# Allegro board MCU013_LAUNCHXL-CC1310_CC1190.brd (continued)
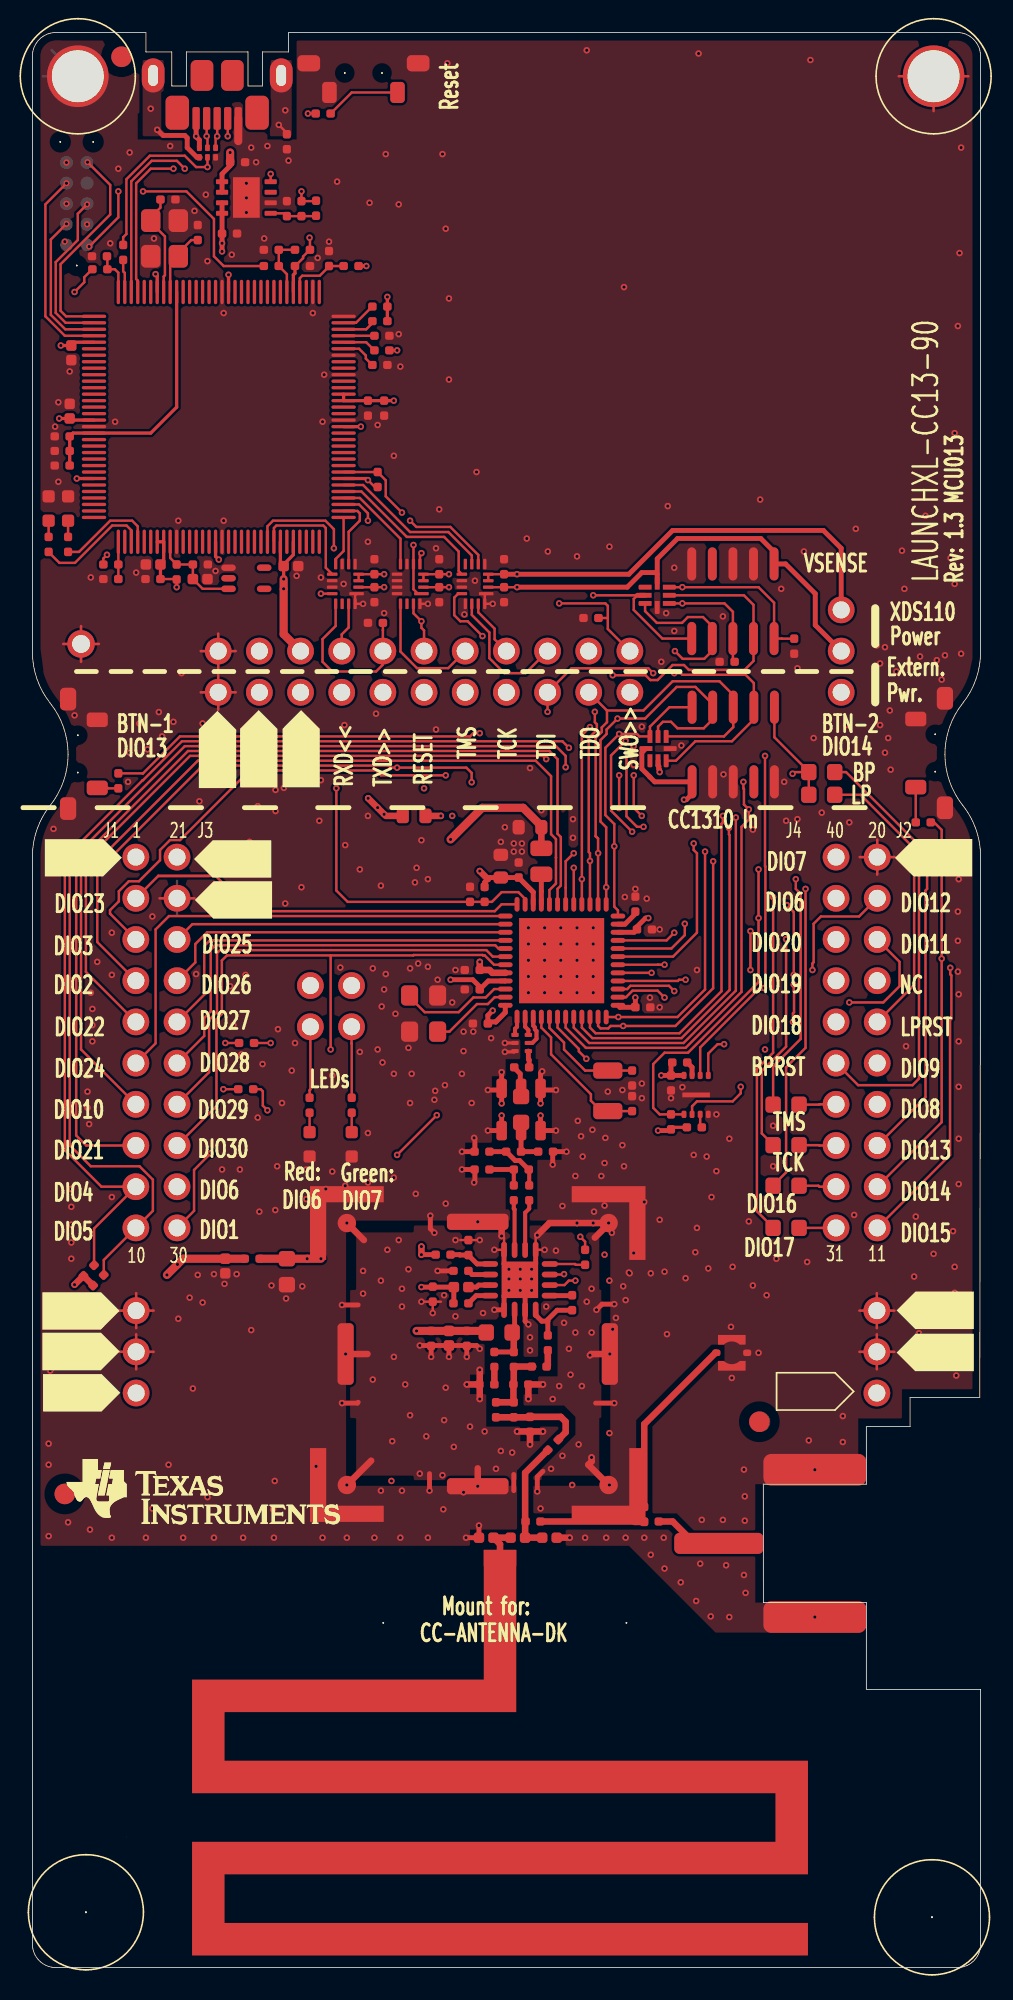
[diagram p0: board, top side]
## Routing (per net, layer and track width the routed paths; a pad name or vN(x,y) marks a point on that pad's centre or on a via; arc(x,y) is an arc through that point) (continued)
DIO16_TDO: length 62.1
  TOP w0.15: U1.26 v1(34.9,68.7) 34.9,69.6 34.75,69.75 ; 34.75,69.75 34.75,75.8 35.12,76.17 35.12,76.45 35.45,76.78 35.45,77.5 ; 34.75,69.75 34.75,69.75 34.85,69.65 ; 35.45,77.5 37.7,77.5 39.5,79.3 42.39,79.3 43.24,78.45 P5.6 43.24,76.47 42.67,75.9 CR8.5 ; 35.45,77.5 35.44,77.5 P4.4 ; R48.2 45.7,48.22 46.5,49.03 46.5,55.5 47.7,56.7 v1(47.7,66.5)
  L3 w0.15: v1(34.9,68.7) 38.6,68.7 40.8,66.5 v1(47.7,66.5)
DIO17_TDI: length 72.1
  TOP w0.15: U1.27 v1(34.4,68.22) 34.4,68.7 34.32,68.78 34.32,75.8 34.82,76.3 34.82,76.65 34.7,76.78 v1(34.7,77.42) ; v1(38.3,79.8) 38,80.1 33.26,80.1 P4.6 v1(31.78,77.42) ; v1(39.6,79.8) 40,79.8 40.1,79.7 44,79.7 44.51,79.19 P5.8 44.51,76.95 43.16,75.6 40.9,75.6 39.7,74.4 CR8.3 ; v1(45.7,66) 45.7,56.4 44.7,55.4 44.7,46.62 45.7,45.62 R49.2
  L3 w0.15: v1(38.3,79.8) v1(39.6,79.8) ; v1(45.7,66) 40.7,66 38.47,68.22 v1(34.4,68.22) ; v1(31.78,77.42) v1(34.7,77.42)
DIO19_CTS: length 23.6
  TOP w0.15: v1(33.4,67.8) U1.29 33.4,65.55 ; v1(46.55,65.5) 46.97,65.07 v1(46.97,61.2)
  L3 w0.15: v1(46.55,65.5) 40.78,65.5 38.47,67.8 v1(33.4,67.8) ; J2.7 47.74,60.84 47.38,61.2 v1(46.97,61.2)
DIO20_FLASH_CS: length 41.6
  TOP w0.15: v1(33.4,68.7) 32.9,68.2 32.9,66.58 U1.30 32.9,65.55 ; U4.1 R11.1 38.7,52.6 38.3,53 38.3,55.7 39,56.4 40.45,56.4 44.8,60.75 v1(44.8,64.7) v1(44.8,67.7)
  L3 w0.15: v1(44.8,64.7) 48.26,64.7 J2.5 ; v1(44.8,67.7) 40.8,67.7 38.9,69.6 34.3,69.6 v1(33.4,68.7)
DIO21: length 62.6
  TOP w0.15: J1.15 3.32,50.68 2.7,51.3 2.7,67.85 2.7,67.85 2.7,68.1 9.6,75 31.9,75 32.4,74.5 32.4,69.9 32.6,69.69 32.6,66.71 32.4,66.5 U1.31
DIO22: length 50.6
  TOP w0.15: 32.3,68.43 32.3,68.43 ; 32.3,68.43 32.3,69.57 32,69.87 32,73.45 31.05,74.4 10.2,74.4 3.3,67.5 3.3,61.38 J1.9 ; 32.3,68.43 32.3,66.83 31.9,66.43 U1.32
DIO23_ANALOG: length 28.5
  TOP w0.15: 7.76,67.3 J1.3 ; 7.76,67.3 7.76,67.3 11.3,67.3 12.72,65.88 12.72,65.47 13.07,65.13 28.53,65.13 28.95,65.55 U1.36 ; 7.76,67.3 10.9,67.3
DIO24_ANALOG: length 30.7
  TOP w0.15: U1.37 8.43,64.82 7.6,64 7.6,56.98 J1.11
DIO25_ANALOG: length 20.6
  TOP w0.15: J1.6 9.87,64.32 U1.38
DIO26_ANALOG: length 22.2
  TOP w0.15: U1.39 10.78,63.82 10.05,63.1 10.05,61.97 J1.8
DIO27_ANALOG: length 24.1
  TOP w0.15: J1.10 10.6,59.98 10.6,62.98 10.95,63.32 U1.40
DIO28_CC1190_HGM: length 30.6
  TOP w0.15: R66.1 v1(11.9,57) ; J1.12 10.6,57.44 10.6,58.55 11,58.95 11,62.75 11.28,63.03 28.55,63.03 28.75,62.82 U1.41
  L3 w0.15: v1(11.9,57) 10.16,57 J1.12
DIO29_CC1190_LNA_EN: length 32.5
  TOP w0.15: J1.14 10.9,55.2 10.9,58.42 11.39,58.91 11.39,62.54 11.57,62.72 28,62.72 28.4,62.32 U1.42 ; v1(11.78,54.15) R71.1
  L3 w0.15: J1.14 9.95,53.22 10.88,54.15 v1(11.78,54.15)
DIO30_CC1190_PA_EN: length 57.3
  TOP w0.15: R81.1 34.1,44.75 33.8,45.05 v1(33.8,45.05) ; U1.43 28.48,61.82 27.9,62.4 27.8,62.4 27.78,62.43 23.52,62.43 23.5,62.4 18.4,62.4 ; 18.4,62.4 v1(18.4,56.6) ; 18.4,62.4 12,62.4 11.69,62.09 11.69,58.79 11.35,58.45 11.35,53.11 J1.16
  L3 w0.15: v1(33.8,45.05) 30.95,47.9 27.1,47.9 v1(18.4,56.6)
IRSTN: length 16.5
  TOP w0.15: v1(6.82,109.5) 9.5,109.5 11.2,107.8 11.2,105.5 11.8,104.9 R20.2 14.4,104.9 ; v1(5.3,109.5) 5.3,107.9 v1(3.5,106.1)
  L3 w0.15: v1(5.3,109.5) v1(6.82,109.5)
ITCK: length 12.2
  TOP w0.15: U5.100 2,100.6 0.8,101.8 0.8,108.7 v1(2.1,110)
ITDI: length 10.1
  TOP w0.15: v1(3.38,108.7) 2.8,108.12 2.8,106.5 1.44,105.14 1.44,102.01 2.05,101.4 U5.98
ITDO: length 13.2
  TOP w0.15: v1(3.4,111.3) 4.8,109.9 4.8,108.08 1.74,105.01 1.74,102.14 2.08,101.8 U5.97
ITMS: length 9
  TOP w0.15: 3.8,101 2.03,101 1.14,101.89 1.14,106.54 v1(2.1,107.5)
LP_RESET: length 17.9
  TOP w0.15: J2.10 54.4,60.58 54.4,69 51.1,72.3 R51.1
USB_DM: length 14.1
  TOP w0.15: J6.2 v1(10.75,112.9) 10.8,112.85 CR6.5 ; v1(8.7,110.9) 7.3,110.9 6.4,110 6.4,104.1 6.5,104 U5.93
  L3 w0.15: v1(8.7,110.9) 8.99,111.19 9.06,111.19 10.75,112.88 v1(10.75,112.9)
USB_DP: length 15.5
  TOP w0.15: 11.3,112.19 11.3,112.8 v1(11.4,112.9) J6.3 ; v1(9.4,110.9) 8.91,111.38 7.36,111.38 6.1,110.12 U5.94
  L3 w0.15: v1(9.4,110.9) v1(11.4,112.9)
USB_ID: length 14.1
  TOP w0.15: CR6.2 v1(10.8,111) 10.1,111 9.4,111.7 7.25,111.7 5.8,110.25 5.8,106.88 5.6,106.68 R19.1 ; J6.4 v1(12.05,112.9)
  L3 w0.15: v1(12.05,112.9) 10.8,111.65 v1(10.8,111)
USB_VBUS: length 55.8
  TOP w0.15: R152.1 3.69,104.7 3.2,104.21 3.2,103.9 v1(2.6,103.3) ; v1(4.6,87.1) 4.38,86.87 R22.2 ; U7.8 v1(14.7,110.58)
  TOP w0.3: J6.1 v1(10.1,112.9) 10.1,112.87 10.3,112.67 CR6.6 ; U7.2 U7.1 11.7,110.58 12.2,111.08 C48.1
  TOP w0.5: v1(12.2,111.9) C48.1
  L3 w0.5: 0.75,103.4 0.85,103.3 v1(2.6,103.3) ; 0.75,103.4 0.75,90.95 v1(4.6,87.1) 4.6,86.3 7.6,83.3 11.86,83.3 P4.19 ; 0.75,103.4 0.75,108.24 1.85,109.34 3.94,109.34 4.7,110.1 11.22,110.1
V-SENSE: length 40.2
  TOP w0.15: U9.2 C57.1 v1(29.9,85.1) ; v1(21.7,85.1) C53.1 U8.2 ; U10.2 C55.1 v1(25.7,85.1)
  TOP w0.3: P10.2 48.3,82.76 48.3,84.7 46.47,86.53 P7.1 45.76,87.28 44.94,88.1 39.8,88.1 38.55,86.85 38.55,85.9 ; 38.55,85.9 CR7.8 ; 38.55,85.9 38.45,86 37.6,86 36.7,85.1 v1(29.9,85.1)
  L3 w0.3: v1(21.7,85.1) v1(25.7,85.1) 26.99,85.1 27.09,85 27.51,85 27.72,85.21 29.09,85.21 29.2,85.1 v1(29.9,85.1)
XDS_RESET: length 11.5
  TOP w0.15: v1(22.8,89.7) 21.8,90.7 21.8,91.69 21.3,92.19 R58.1 U5.40 ; U10.1 23.78,84.7 23.51,84.97 U10.6 v1(23.51,87.7)
  L3 w0.15: v1(23.51,87.7) 23.79,87.99 23.79,89.4 23.5,89.7 v1(22.8,89.7)
XDS_RESET_LS: length 62.5
  TOP w0.15: P4.11 24.16,82.44 24,82.6 v1(24,83) 23.51,83.49 U10.15 ; 40.68,81.93 38.87,81.93 37.1,83.7 37.1,84.38 37.32,84.6 v1(34.6,84.6) ; v1(17,114.3) R57.2 17.6,114.3
  TOP w0.3: 37.32,84.6 CR7.2
  L3 w0.15: v1(34.6,84.6) 31.1,84.6 ; 31.1,84.6 30.7,85 30.7,86.1 23.74,93.06 23.74,113.34 22.78,114.3 v1(17,114.3) ; 31.1,84.6 29.7,83.2 27.03,83.2 26.83,83 26.47,83 26.47,83 v1(24,83)
XDS_RX: length 3.1
  TOP w0.15: U8.8 18.71,86.84 19.2,87.33 U5.33
XDS_RX_LS: length 10.6
  TOP w0.15: U8.13 18.71,82.71 17.9,81.9 17.9,80.5 18.5,79.9 21.2,79.9 21.6,80.3 21.6,81.16 P4.13 21.62,82.45 R61.2
XDS_SWO: length 7.2
  TOP w0.15: U8.9 18.5,85.9 18.1,86.3 18.1,88.75 17.95,88.9 15.05,88.9 14.9,88.75 U5.25
XDS_SWO_LS: length 24.7
  TOP w0.15: 35.5,83.2 35.5,83.95 35.35,84.1 v1(32.5,84.1) ; 35.5,83.2 35.5,82.52 P4.1 ; 35.5,83.2 R62.2 34.8,83.2 ; U8.12 v1(17.8,84.7)
  L3 w0.15: v1(17.8,84.7) 17.8,83.7 19,82.5 26.8,82.5 27.11,82.81 31.21,82.81 v1(32.5,84.1)
XDS_TCK: length 10.4
  TOP w0.15: U5.35 20.15,90.2 20.7,89.65 v1(20.7,89.2) ; v1(23.3,89.2) 23.69,88.81 25.78,88.81 27.51,87.09 U9.6
  L3 w0.15: v1(23.3,89.2) v1(20.7,89.2)
XDS_TCK_LS: length 29.2
  TOP w0.15: CR7.6 43.9,84.6 44.49,84.01 P7.4 44.49,80.55 43.94,80 40.5,80 40.2,80.3 39.5,80.3 38.57,79.38 38.12,79.38 37.83,79.67 v1(35.8,79.67) ; U9.15 27.51,83.55 28.52,82.54 28.52,81.89 P4.7
  L3 w0.15: v1(35.8,79.67) 30.73,79.67 P4.7
XDS_TDI: length 10.2
  TOP w0.15: U5.38 20.4,91.4 23.3,88.5 25.66,88.5 27.11,87.05 U9.7
XDS_TDI_LS: length 26.6
  TOP w0.15: U9.14 27.11,83.39 28.19,82.31 28.19,80.73 29.12,79.8 30.42,79.8 P4.5 ; CR7.3 37.8,83.62 38.53,82.9 40.08,82.9 40.44,83.26 41.37,83.26 41.95,82.68 P7.8 41.95,81.18 41.45,80.68 40.12,80.68 v1(39.64,81.16)
  L3 w0.15: v1(39.64,81.16) 38.35,81.16 37.29,80.1 32.84,80.1 P4.5
XDS_TDO: length 10.1
  TOP w0.15: 19.2,91 20.3,91 23.1,88.2 25.4,88.2 26.3,87.3 26.3,86.1 U9.9
XDS_TDO_LS: length 25.5
  TOP w0.15: CR7.5 v1(40.1,84.1) 42.7,84.1 43.22,83.58 P7.6 43.22,80.61 R63.2 ; v1(27.77,82.08) 26.85,83 26.4,83 26.03,83.37 26.03,84.46 26.27,84.7 U9.12
  L3 w0.15: v1(40.1,84.1) 40.1,83.7 38.8,82.4 35.56,82.4 P4.3 33.27,82.21 28.29,82.21 28.17,82.08 v1(27.77,82.08)
XDS_TMS: length 6.1
  TOP w0.15: U10.8 22.71,88.09 20.2,90.6 U5.36
XDS_TMS_DIR: length 12.8
  TOP w0.15: v1(18.6,87.5) 18.6,88.68 18.07,89.2 14.85,89.2 14.5,88.85 U5.24 ; U10.5 23.91,87.11 v1(24,87.2)
  L3 w0.15: v1(18.6,87.5) 18.9,87.2 v1(24,87.2)
XDS_TMS_LS: length 33.5
  TOP w0.15: R65.2 46.25,81.92 46.24,81.93 P7.2 45.76,84.14 44.8,85.1 v1(40.1,85.1) CR7.7 ; P4.9 25.65,80.11 23.73,80.11 22.71,81.13 U10.13
  L3 w0.15: P4.9 26.7,81.8 27.41,82.51 31.61,82.51 33.28,84.18 35.18,84.18 36.1,85.1 v1(40.1,85.1)
XDS_TX: length 4.5
  TOP w0.15: U8.6 19.51,88.51 20.2,89.2 20.2,89.65 20.05,89.8 U5.34
XDS_TX_LS: length 3.1
  TOP w0.15: P4.15 19.08,82.19 19.51,82.62 U8.15
XDS_VCC: length 87
  TOP w0.15: 21.9,99.7 R30.2 v1(22.5,99.7) ; C42.1 8.8,85.6 8.9,85.7 R18.2 v1(8.9,85.1) ; v1(20.7,91.7) 21.13,91.28 R58.2 ; v1(25.7,85.9) C54.1 U10.4 U10.3 ; 2.4,100.2 C37.1 ; v1(21.7,85.9) C52.1 U8.4 U8.3 ; v1(16.6,109.5) C47.1 17.48,108.9 R33.2 ; C38.1 16.21,104.9 16.7,105.39 16.7,105.49 17.11,105.9 R17.2 17.12,106.62 v1(17.1,106.65) ; U9.3 U9.4 C56.1
  TOP w0.2: U5.28 16.1,87.1 15.5,86.5 ; v1(15.5,85.6) C35.1 15.5,86.5 ; v1(20.6,104.9) R31.2 20,104.9 ; R27.1 R39.1 v1(21.9,103) ; 15.5,86.5 15.3,86.7 U5.26 ; U5.69 16.1,104.35 16.2,104.45 C38.1 16.2,104.94 ; v1(20.7,91.7) 20.6,91.8 U5.39 ; v1(22.3,96.6) C40.1 C39.1 U5.51 U5.52 ; U5.113 2.4,95.4 C36.1 v1(1.65,95.5) ; U5.90 7.7,104.3 v1(7.6,104.4) ; v1(11.5,86.8) 11.3,87 U5.16 ; 19.2,95 v1(20.26,95) ; U5.7 U5.8 8.1,86.7 C41.1 C42.1 ; U5.101 2.4,100.2 ; C37.1 v1(1.75,100) ; U5.122 v1(2.74,91.8) ; U5.79 v1(12.1,104.36)
  TOP w0.3: P10.1 49.9,87.5 48.8,88.6 39.5,88.6 36.8,85.9 v1(29.9,85.9) C56.1 ; v1(11.7,105.8) v1(11.7,106.3) C49.1 U7.4 U7.3
  TOP w0.5: v1(15.5,85.6) v1(15.5,85) 15.5,82.2 P4.17
  L3 w0.15: v1(16.6,109.5) 16.6,107.1
  L3 w0.3: v1(29.9,85.9) 27.6,85.9 27.5,86 27.09,86 26.99,85.9 v1(25.7,85.9) v1(21.7,85.9) 19.1,85.9 17.6,87.4
  vias: v1(2,106.4)
N949215: length 3.8
  TOP w0.15: U5.70 15.7,104.4 R20.1 R21.1 R17.1
N949243: length 2.1
  TOP w0.15: R30.1 21.09,99.7 20.59,100.2 U5.60
N949263: length 2.9
  TOP w0.15: 14.7,108.15 U7.5 15.55,108.15 15.7,108 R34.2 C47.2 17.48,107.98 R33.1
N949375: length 2.3
  TOP w0.15: U5.59 20.15,99.8 20.57,99.38 20.57,99.19 20.96,98.8 R28.2
N949517: length 2.3
  TOP w0.15: U5.1 R22.1 R24.1
N949687: length 6.3
  TOP w0.15: 7.9,108.9 7.9,108.5 7.3,107.9 Y3.3 7.3,107.6 8.18,106.72 8.18,104.33 8.1,104.25 U5.89
  TOP w0.2: C34.1 7.9,108.9
N949695: length 4.1
  TOP w0.15: U5.88 8.5,105 Y3.1 9,105.7 9.8,106.5 C33.1
N950083: length 5.9
  TOP w0.15: U5.9 8.5,86.9 R18.1 C32.1 C50.1 9.91,85.6 10.5,85 U6.3
N950235: length 2.1
  TOP w0.15: U5.95 5.7,104.48 5.6,104.57 R19.2 5.6,105.4
N951001: length 2.2
  TOP w0.15: R39.2 20.96,102.4 19.96,101.4 U5.63
N951013: length 1.9
  TOP w0.15: U5.61 R29.1
N951017: length 2.1
  TOP w0.15: 19.2,101 20.59,101 20.98,101.38 R27.2
N952443: length 3.9
  TOP w0.15: 18.33,104.9 17.73,104.3 16.65,104.3 16.5,104.15 U5.68 ; 18.33,104.9 C46.1 ; 18.33,104.9 R31.1
N1004371: length 7.2
  TOP w0.15: U5.3 6.1,88.61 5.81,88.9 4.93,88.9 2.62,86.6 1.66,86.6 1,87.26 R23.2
N1004534: length 6.2
  TOP w0.15: U5.4 6.5,88.85 6.15,89.2 4.8,89.2 2.88,87.28 R25.2
N1013277: length 7
  TOP w0.15: U1.46 28.49,60.32 27.97,59.81 27.21,59.81 26.3,58.9 24.2,58.9 23.27,59.83 Y2.3
N1013919: length 1
  TOP w0.3: C15.1 30.65,55.95 30.6,56 TR1.1
N1014101: length 9.2
  TOP w0.15: C17.1 Y1.1 35.1,52.8 34.46,53.44 34.46,53.84 32,56.3 32,57.35 31.4,57.95 U1.4
N1014113: length 7.1
  TOP w0.15: C18.1 Y1.2 34.1,55.3 32.8,56.6 32.8,57.03 31.9,57.93 U1.5
N1018952: length 5.2
  TOP w0.15: U1.47 28.53,59.82 28.1,59.4 27.43,59.4 25.73,57.7 Y2.1 25,57.8
N1031635: length 4.4
  TOP w0.15: R32.2 15.7,113.1 v1(15.2,113.6)
  TOP w0.3: 8.05,112.95 v1(7.7,113.3) ; 10.35,111.6 CR6.1 10.15,111.6 9.55,112.2 9.55,112.8 9.4,112.95 8.1,112.95
  vias: v1(7.3,114.6) v1(15.6,114.5)
N1105722: length 1.2
  TOP w0.15: R15.1 CR1.2
N1105771: length 1.2
  TOP w0.15: R14.1 CR2.2
N1105824: length 4.4
  TOP w0.15: R14.2 17.1,54.09 17.15,54.14 P6.1
N1106228: length 4.4
  TOP w0.15: P6.3 19.69,56.97 19.7,56.96 R15.2
N1176544: length 2.3
  TOP w0.15: R46.1 48.53,53.2 48.56,53.22 J2.13
N1176548: length 2.3
  TOP w0.15: J2.15 48.56,50.68 48.53,50.7 R47.1
N1176568: length 2.3
  TOP w0.15: J2.17 48.56,48.14 48.5,48.2 R48.1
N1177007: length 2.3
  TOP w0.15: R49.1 J2.19
N1288065: length 2.2
  TOP w0.15: SW2.3 R55.1
N1288098: length 1.5
  TOP w0.15: R56.1 4.68,72.7 4.65,72.72 SW1.4 3.8,72.72
N1384129: length 4.7
  TOP w0.15: R57.1 19.7,115.6 SW3.3
N1393569: length 1.5
  TOP w0.3: U1.23 36.56,64.32 37.2,64.96 C19.1
N1442334: length 0.8
  TOP w0.15: R59.1 41.2,51.9 U4.3
N1442341: length 0.9
  TOP w0.3: R60.1 40.7,55.5 U4.7
N1462615: length 2.2
  TOP w0.15: R81.2 33.52,43.33 33.47,43.38 U11.8
N1462623: length 26.4
  TOP w0.15: 31.93,42.72 32.78,42.72 v1(32.8,42.75) ; v1(14.5,52.85) 14.22,53.13 14.22,54.02 14.09,54.15 R71.2
  L3 w0.15: v1(32.8,42.75) 32.8,44.7 30.4,47.1 26.4,47.1 22.7,50.8 16.55,50.8 v1(14.5,52.85)
N1462627: length 4
  TOP w0.3: 31.8,39.85 31.8,39.95 32.38,40.53 C213.2 ; 31.8,39.85 C214.2 31.8,38.95 ; 31.8,39.85 31.42,39.85 31.05,40.22 U11.4
N1462755: length 3.9
  TOP w0.3: L25.1 C215.1 ; L21.2 29.75,39.3 U11.2
  TOP w0.4: L21.2 29.7,39.05 C215.1
N1462771: length 2.7
  TOP w0.3: L131.1 26.35,43.95 26.37,43.93 C131.2 26.9,43.91 27.44,43.38 U11.13
N1462879: length 1.5
  TOP w0.3: U11.16 27.38,41.43 L161.1
N1462923: length 1.1
  TOP w0.4: C210.1 L25.2 28.5,37.05
N1463021: length 1.1
  TOP w0.4: L26.2 31.8,37.13 C214.1 31.78,38.03
N1463025: length 4.5
  TOP w0.4: C24.1 L27.1 29.68,34.87 C212.2 29.7,35.97 C215.2 29.7,37.05 L26.1 30.9,37.05
N1463037: length 1.4
  TOP w0.3: C213.1 33.28,41.43 U11.5
N1463305: length 5.7
  TOP w0.4: C24.2 L27.2 30.68,33.93 C25.1 32.6,33.95 32.9,33.65 32.9,33 L24.1
N1463467: length 3.9
  TOP w0.25: C219.2 30.65,49.17 R154.2
  TOP w0.3: R154.2 30.61,49.2 30.06,49.75 29.79,49.75 29.24,50.3 L111.2 R155.1
N1463499: length 2.3
  TOP w0.3: FL2.5 L111.1 C111.1
N1463655: length 1.5
  TOP w0.3: 26.8,41.95 R151.2 27.4,41.95 27.53,42.07 U11.15
N1486885: length 2.8
  TOP w0.15: U5.96 5.3,104.49 5.09,104.7 R152.2 4.62,105.48 C59.1
N1492721: length 7.1
  TOP w0.4: 30.4,27.47 30.4,30.5 L24.2 ; 30.4,27.47 R158.2 ; 30.4,27.47 A2.1 A1.1
N1607579: length 2.5
  TOP w0.25: C218.2 R154.1
  TOP w0.3: R154.1 R156.1
N1607593: length 3.1
  TOP w0.25: C218.1 29.7,46.79 29.75,46.74 U11.11
N1607716: length 1.4
  TOP w0.3: R141.1 27.12,42.72 28.22,42.72
N1608859: length 4.3
  TOP w0.4: R13.1 39.5,27.5 40.85,26.15 P12.1
N1608868: length 11.4
  TOP w0.4: R157.1 37.75,33.5 42.15,37.9 P11.1
N1608876: length 6.4
  TOP w0.4: R158.1 37.15,27.5 37.17,27.48 R157.2
N1616867: length 2.5
  TOP w0.4: ANT1.1 28.85,26.1 A3.1 A2.2
N1639516: length 1.2
  TOP w0.25: TR1.4 29.78,57.88 29.9,58 U1.1
N1639598: length 1.2
  TOP w0.25: TR1.3 30.6,57.8 30.4,58 U1.2
N1639697: length 2
  TOP w0.25: U1.3 30.9,58.07 31,57.97 31,57.84 31.1,57.74 31.1,57.26 30.84,57 TR1.2
N1666431: length 3.2
  TOP w0.25: C219.1 30.65,46.79 30.4,46.54 U11.10
N10367920: length 1
  TOP w0.15: R25.1 CR5.2
N10368080: length 1
  TOP w0.15: R23.1 CR4.2
N14625751: length 29
  TOP w0.15: U11.6 32.82,42.07 33.1,42.35 v1(33.5,42.35) ; R66.2 v1(14.7,57)
  L3 w0.15: v1(14.7,57) 14.99,56.72 15.59,56.72 18,54.3 20.1,54.3 26.9,47.5 30.75,47.5 33.5,44.75 v1(33.5,42.35)

## Copper pours and planes (outline as drawn; the poured copper is in the pictures)
GND on TOP: 42.15,20.65 36.8,26 32.9,26 32.9,27 39.25,27 40.5,25.75 40.95,25.75 40.95,26.8 39.75,28 38.25,28 38.25,33.35 42.3,37.4 42.7,37.4 42.7,38.4 41.9,38.4 37.25,33.75 37.25,28 30.9,28 30.9,29.7 35.65,29.7 35.65,46.05 19.35,46.05 19.35,29.7 29.9,29.7 29.9,27 27,27 27,26 0.5,26 0.5,68.5 0.76,70 1.49,71.34 2.7,74.8 1.49,78.26 0.97,79.09 0.64,80 0.67,80 0.5,81.3 0.5,117.84 0.78,118.52 1.46,118.8 6.5,118.8 6.5,115 6.5,112.7 9.2,112.7 9.2,113.2 8.3,113.2 8.1,113.4 8.1,115.5 10,115.5 10,117.6 12.8,117.6 12.8,115.5 14.5,115.5 14.5,112.7 16.3,112.7 16.3,118.8 57.04,118.8 57.72,118.52 58,117.84 58,104.17 58,89.19 58,80.7 57.85,80 57.86,80 57.53,79.08 57.01,78.26 55.8,74.8 57.01,71.34 57.74,70 58,68.5 58,35.65 53.65,35.65 53.65,33.85 50.95,33.85 50.95,29.8 44.6,29.8 44.6,22.5 50.95,22.5 50.95,20.65 ; 26 cut-outs
GND on TOP: 0.5,114.3 0.5,117.84 0.78,118.52 1.46,118.8 6.5,118.8 6.5,117.6 6.6,117.6 6.6,114.3
GND on TOP: 19.6,30.05 19.6,45.75 35.1,45.75 35.1,30.05 30.9,30.05 30.9,30.25 33.5,32.85 33.5,33.95 32.8,34.65 30.3,34.65 30.3,35.35 31.2,35.35 31.2,36.45 32.4,36.45 32.4,39.55 31.2,39.55 31.2,37.65 30.3,37.65 30.3,39.95 27.4,39.95 27.4,39.75 27.2,39.75 27.2,38.55 27.4,38.55 27.4,38.45 27.9,38.45 27.9,36.55 27,36.55 27,35.35 28,35.35 28,33.35 30.1,33.35 30.1,32.45 31.3,32.45 31.3,33.35 32.6,33.35 29.9,30.65 29.9,30.05
GND on BOTTOM: 0.51,114.29 0.51,117.83 0.79,118.51 1.47,118.79 5.11,118.79 5.11,114.29
GND on BOTTOM: 53.27,114.21 53.27,118.81 57.01,118.81 57.69,118.53 57.97,117.85 57.97,114.21
GND on BOTTOM: 42.1,20.7 36.8,26 0.5,26 0.5,68.5 0.76,70 1.49,71.34 2.7,74.8 1.49,78.26 1.33,78.48 1.18,78.7 0.67,79.85 0.5,81.1 0.5,81.29 0.5,81.3 0.5,117.84 0.78,118.52 1.46,118.8 6.5,118.8 6.5,117.6 8.1,117.6 8.1,115.5 10,115.5 10,117.6 12.8,117.6 12.8,115.5 14.7,115.5 14.7,117.6 16.3,117.6 16.3,118.8 57.04,118.8 57.72,118.52 58,117.84 58,117.6 58,81.8 58,81.1 58,81.09 57.82,79.85 57.32,78.7 57.17,78.48 57.01,78.26 55.8,74.8 57.01,71.34 57.74,70 58,68.5 58,35.7 53.6,35.7 53.6,33.9 50.9,33.9 50.9,29.8 44.6,29.8 44.6,22.5 50.9,22.5 50.9,20.7
GND on L2: 42.15,20.65 36.8,26 0.5,26 0.5,68.5 0.76,70 1.49,71.34 2.7,74.8 1.49,78.26 1.27,78.57 1.07,78.9 0.64,79.96 0.5,81.1 0.5,81.2 0.51,81.2 0.5,81.3 0.5,117.84 0.78,118.52 1.46,118.8 6.5,118.8 6.5,117.6 8.1,117.6 8.1,115.5 10,115.5 10,117.6 12.8,117.6 12.8,115.5 14.7,115.5 14.7,117.6 16.3,117.6 16.3,118.8 57.04,118.8 57.72,118.52 58,117.84 58,117.6 58,81.3 58,81.1 57.85,79.96 57.43,78.9 57.23,78.57 57.01,78.26 55.8,74.8 57.01,71.34 57.74,70 58,68.5 58,35.65 53.65,35.65 53.65,33.85 50.95,33.85 50.95,29.8 44.6,29.8 44.6,22.5 50.95,22.5 50.95,20.65 ; 2 cut-outs
CC1190_VDD on L3: 14.8,44.3 14.8,42.8 24.4,42.8 24.4,44.3
CC1190_VDD on L3: 22.5,45.6 22.5,38.7 24.4,38.7 24.4,45.6
USB_VBUS on L3: 10.3,113.9 12.4,113.9 14.9,111.4 14.9,110.3 14.3,109.7 8.9,109.7 7.9,110.7 7.9,111.5
XDS_VCC on L3: 3.4,108.2 21.1,108.2 23.1,106.2 23.1,92.3 14.9,84.1 7.5,84.1 1.1,90.5 1.1,105.9
N1031635 on TOP: 6.8,112.9 6.8,117.6 8.1,117.6 8.1,115.5 10,115.5 10,117.6 12.8,117.6 12.8,115.7 14.5,115.7 14.5,115.1 14.7,115.1 14.7,115.7 14.7,117.6 16,117.6 16,112.9 ; 1 cut-out
N1031635 on BOTTOM, L2: 6.8,112.9 6.8,117.6 8.1,117.6 8.1,115.5 10,115.5 10,117.6 12.8,117.6 12.8,115.5 14.7,115.5 14.7,117.6 16,117.6 16,112.9
N1616867 on TOP (solid shape): 29.85,15.75 11.85,15.75 11.85,12.75 47.85,12.75 47.85,5.75 11.85,5.75 11.85,2.75 47.85,2.75 47.85,0.75 9.85,0.75 9.85,7.75 45.85,7.75 45.85,10.75 9.85,10.75 9.85,17.75 27.85,17.75 27.85,25.75 29.85,25.75

## Text on the board
Ref Des/Silkscreen Bottom: J1 | 1 | 10 | 21 | 30 | J3 | J4 | 31 | 40 | 11 | 20 | J2 | DIO23 | DIO3 | DIO2 | DIO22 | DIO24 | DIO0 | DIO1 | DIO25 | DIO27 | DIO28 | DIO29 | DIO30 | DIO26 | DIO7 | DIO6 | DIO20 | DIO19 | DIO18 | BPRST | NC | DIO9 | DIO8 | DIO12 | DIO11 | LPRST | DIO13 | DIO14 | DIO15 | DIO10 | DIO21 | DIO4 | DIO5 | TMS | TCK | DIO16 | DIO17
User.Comments: RED
Ref Des/Silkscreen Top: J1 | 10 | 1 | 21 | 30 | J3 | J4 | 40 | 31 | 20 | 11 | J2 | DIO3 | DIO2 | DIO23 | DIO22 | DIO24 | BTN-1 | DIO13 | DIO29 | DIO30 | DIO27 | DIO28 | DIO6 | DIO1 | DIO26 | DIO25 | Red: | LEDs | Green: | DIO7 | CC-ANTENNA-DK | Mount for: | CC1310 In | DIO20 | DIO19 | DIO18 | BPRST | VSENSE | BTN-2 | DIO14 | LP | BP | Extern. | Pwr. | XDS110 | Power | NC | DIO12 | DIO11 | LPRST | DIO9 | DIO8 | DIO15 | DIO10 | DIO21 | DIO4 | DIO5 | DIO17 | DIO16 | TMS | TCK | RXD<< | TXD>> | RESET | Reset | TDI | TDO | SWO>> | Rev: 1.3 MCU013 | LAUNCHXL-CC13-90
XSECTION_CHART: *  SURFACE - AIR 0 MM | L1: TOP CONDUCTOR - COPPER 0.035 MM | *  DIELECTRIC - FR-4 0.4 MM | L2: L2 PLANE - COPPER 0.035 MM | *  DIELECTRIC - FR-4 0.66 MM | L3: L3 PLANE - COPPER 0.035 MM | L4: BOTTOM CONDUCTOR - COPPER 0.035 MM | DESIGN CROSS SECTION CHART | ___________________________ | TOTAL THICKNESS 1.6 MM
DIMENSION: Milling tool 0.5 mm
DISPLAY_BOTTOM: FIGURE | FINISHED_SIZE | 0.2 | 0.201 | 1.05 | 1.1 | 3.2 | 0.899 | 1.001 | 3.0 | 1.3x0.6 | DRILL CHART: TOP to BOTTOM | ALL UNITS ARE IN MILLIMETERS | ROTATION | - | 90.000 | PLATED | NON-PLATED | QTY | 679 | 28 | 75 | 1 | 2 | 6 | 3 | 4
